# Altium PCB EMDO601_Patch.PcbDoc (part 2 of 3)
Units mm, origin at the board's own origin, x right, y up, seen from the top; angles counter-clockwise.
Board outline 80 x 180 mm, 4 copper layers (Top Layer, Mid-Layer 1, Mid-Layer 2, Bottom Layer), stack 1.426 mm thick; 219 components, 105 nets, 717 pads, 2037 vias.
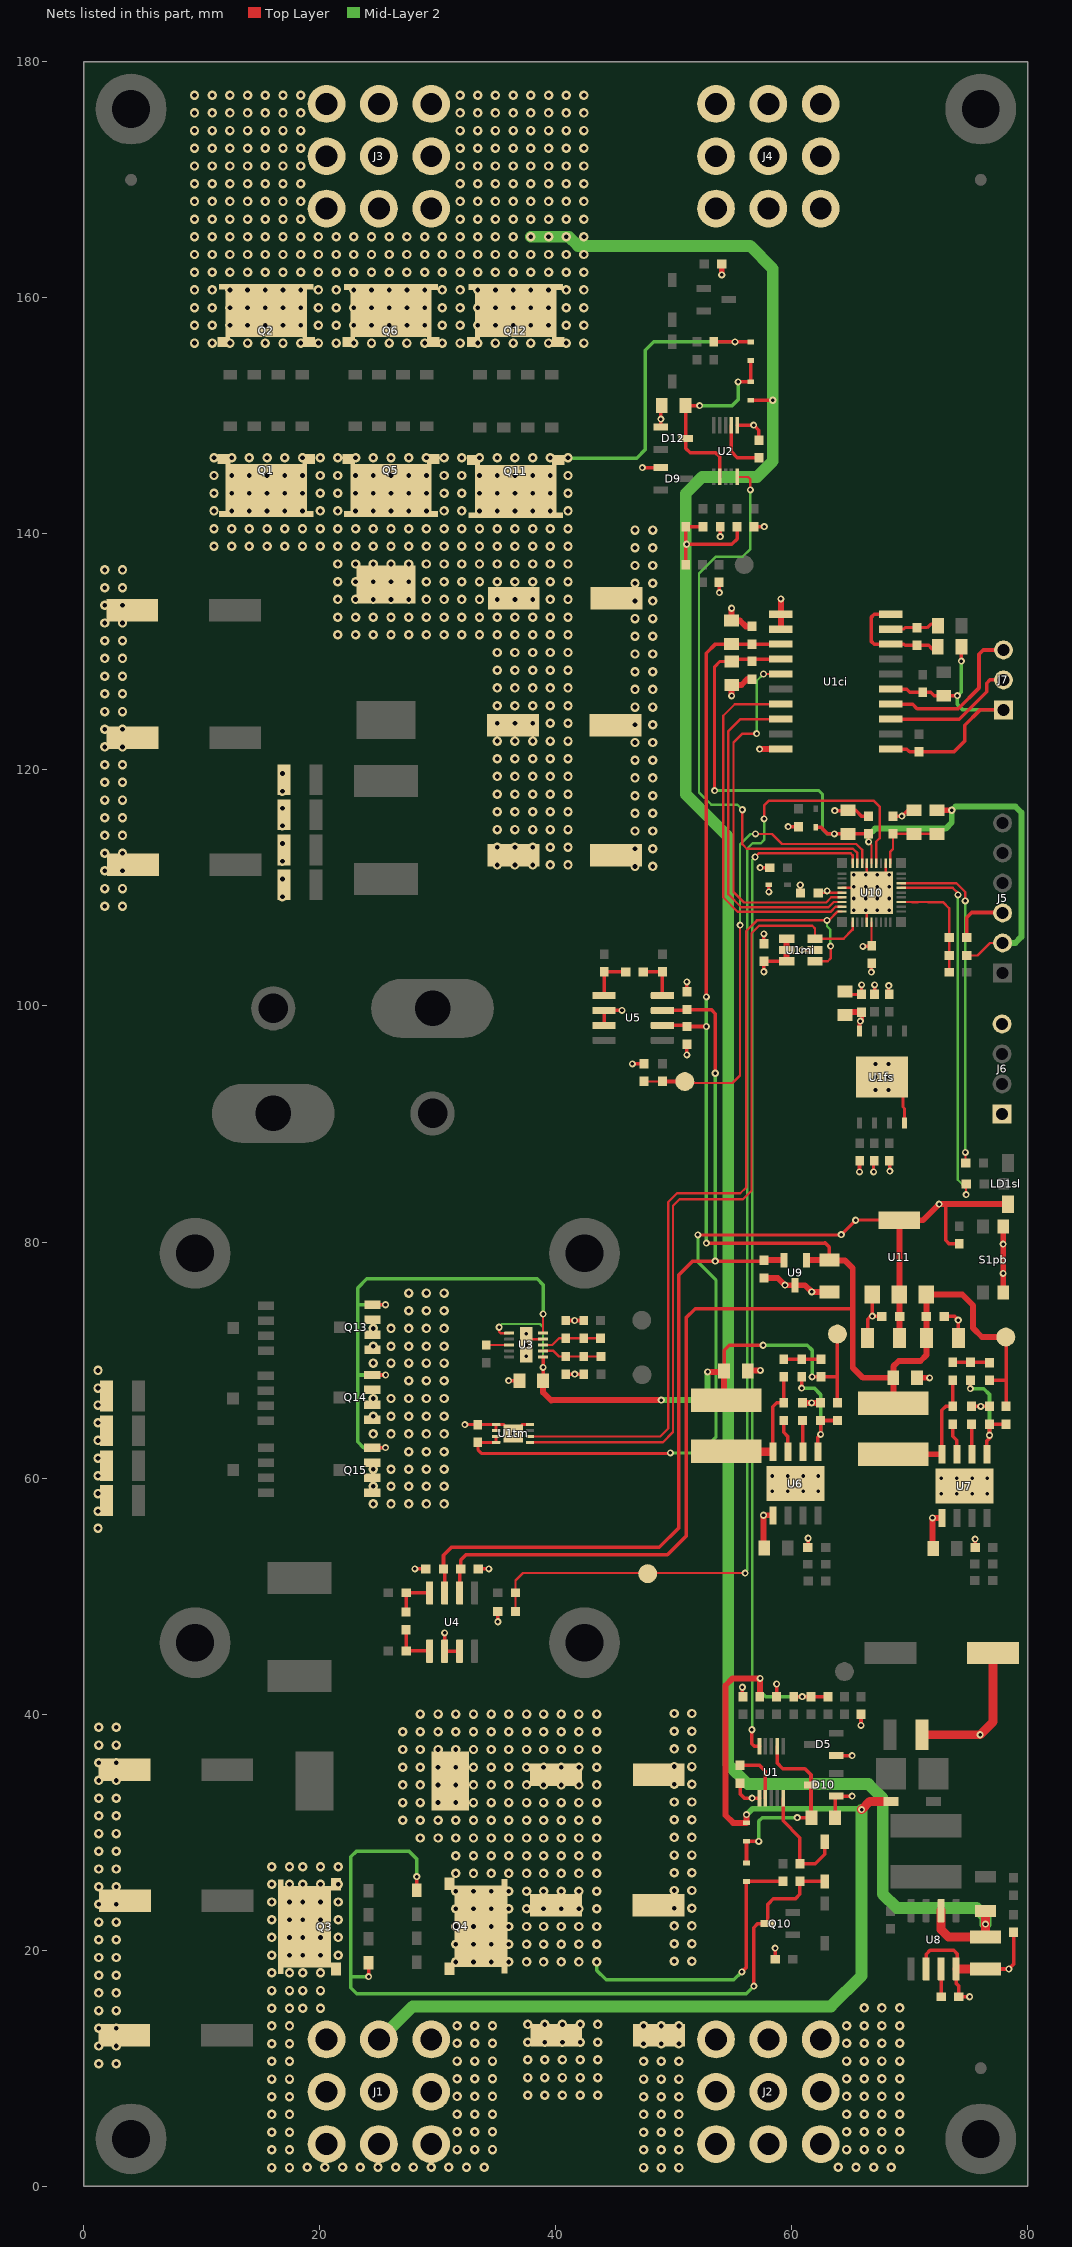
[diagram p4: the nets of this part, all layers, seen from the top]

## Part data (continued)
R49 R50: library part RES, "0.1W/ 1kohm±1%", Manufacturer=Yageo, Manufacturer Part Number=RC0603FR-071KL, Supplier Part Number=603-RC0603FR-071KL, Price=0.1, Supplier=mouser
R52: library part RES, "0.1W/ 100 ohm±1%", Manufacturer=Yageo, Manufacturer Part Number=RC0603FR-07100RL, Supplier Part Number=603-RC0603FR-07100RL, Price=0.1, Supplier=mouser
S1pb: library part "SW Wurth", "Push button SMD 434 351 045 816 Wurth", Manufacturer=Wuerth, Supplier Part Number=710-434351045816, Manufacturer Part Number="434 351 045 816", Price=0.6, Supplier=Mouser
U1 U2: "Hot Swap Voltage Controllers Automotive 5.5-V to 65-V high side protection controller 10-VSSOP -40 to 125", Manufacturer="Texas Instruments", Supplier Part Number=926-LM5060Q1MMX/NOPB, Manufacturer Part Number=LM5060Q1MMX/NOPB, Price=2.8, Supplier=mouser
U1ci: "CAN Interface IC 3.0kV isoPower CAN-FD Transceiver", Manufacturer="Analog Devices", Supplier Part Number=584-ADM3057EBRWZ, Manufacturer Part Number=ADM3057EBRWZ, Price=13.6, Supplier=mouser
U1fs: "IC FLASH 512MBIT 133MHZ WDFN-8", Manufacturer="Micron Technology Inc", Supplier Part Number=340-283908-TRAY, Manufacturer Part Number=MT25QL512ABB1EW9-0SIT, Price=10.2, Supplier=Mouser
U1mi: "2K bits I2C™ Serial EEPROM with EUI-48™ Node Identity, 1.7 to 5.5 V, 400 kHz, -40 to 85 degC, 6-pin SOT-23 (OT6), Tape and Reel", Manufacturer=Microchip, Supplier Part Number=579-24AA025E48T-I/OT, ComponentLink1Description="Manufacturer URL", ComponentLink1URL=http://www.microchip.com, ComponentLink2Description=Datasheet, ComponentLink2URL=http://ww1.microchip.com/downloads/en/DeviceDoc/22124D.pdf, ComponentLink3Description="Package Specification", ComponentLink3URL=http://www.microchip.com/stellent/groups/techpub_sg/documents/packagingspec/en012702.pdf, ComponentLink4Description="Product URL", ComponentLink4URL=http://www.microchip.com/24AA025E48, Manufacturer Part Number=24AA025E48T-I/OT, Price=0.4, Supplier=Mouser
U1tm: "IC TEMP SENSOR DGTL I2C 8DFN MCP9808T-E/MC Microchip", Manufacturer="Microchip Technology", Supplier Part Number=579-MCP9808T-E/MC, ComponentLink1Description=http://www.microchip.com/mymicrochip/filehandler.aspx?ddocname=en556196, ComponentLink1URL=http://www.microchip.com/mymicrochip/filehandler.aspx?ddocname=en556196, Manufacturer Part Number=MCP9808T-E/MC, Price=1.5, Supplier=Mouser
U3: "Gate Drivers 2.6-A, 110-V half bridge gate driver with enable and interlock 10-VSON -40 to 125", Manufacturer="Texas Instruments", Supplier Part Number=595-LM5108DRCT, Manufacturer Part Number=LM5108DRCT, Price=1.37, Supplier=mouser
U4 U5: "Current Sense Amplifiers AEC-Q100, -4 to 80V, bi-directional, ultra-precise current sense amplifier w/ enhanced pwm rejection 8-SOIC -40 to 125", Manufacturer="Texas Instruments", Supplier Part Number=595-INA240A2QDRQ1, Manufacturer Part Number=INA240A2QDRQ1, Price=3.76, Supplier=mouser
U6 U7: "7.5-100V Wide Vin, 300mA Constant On-Time Synchronous Buck Regulator 8-SO PowerPAD -40 to 125", Manufacturer="Texas Instruments", Package="HSOIC-8 Texas Instruments", Arrow_Asia-Purchase-URL=https://snapeda.com/shop?store=Arrow+Asia&id=436975, Availability=Good, Manufacturer Part Number=LM5018MR/NOPB, Mouser-Purchase-URL=https://snapeda.com/shop?store=Mouser&id=436975, Price=4, SnapEDA_Link=https://www.snapeda.com/parts/LM5018MR/NOPB/Texas%20Instruments/view-part/436975/?ref=snap, Supplier=Mouser, Supplier Part Number=LM5018MR/NOPB, Texas_Instruments-Purchase-URL=https://snapeda.com/shop?store=Texas+Instruments&id=436975
U8: "Switching Voltage Regulators 1.5-A Peak Boost/ Buck/Inverting", Manufacturer="Texas Instruments", Supplier Part Number=595-MC33063AQDRQ1, Manufacturer Part Number=MC33063AQDRQ1, Price=1.6, Supplier=mouser
U9: "3.3-V, 20-ppm/C max, 100-A, 3-pin SOT-23 series voltage reference 3-SOT-23 -40 to 125", Manufacturer="Texas Instruments", Package="SOT-23-3 Texas Instruments", Supplier Part Number=595-REF3133AIDBZTG4, Availability="In Stock", Check_prices=https://www.snapeda.com/parts/REF3133AIDBZTG4/Texas+Instruments/view-part/?ref=eda, Manufacturer Part Number=REF3133AIDBZTG4, Price=2.8, Supplier=Mouser
U10: "Digital Signal Processors & Controllers - DSP, DSC 16 Bit DSC, 256KB Flash, 24KB RAM, 100MHz, 28Pin, 3 OpAmp, 3 Comp, PTG, CAN-FD", Alternative Part Number=dsPIC33CK128MP203-I/M5, Manufacturer="Microchip Technology", Supplier Part Number=579-PIC33CK256MP503E, Manufacturer Part Number=dsPIC33CK256MP503-E/M5, Price=4, Supplier=Mouser
U11: "LDO Voltage Regulators 3.3V 1.0A Automotive", Manufacturer=onsemi, Supplier Part Number=863-NCV1117ST33T3G, Manufacturer Part Number=NCV1117ST33T3G, Price=0.7, Supplier=Mouser

## Free pads (board coordinates)
  round 6 hole 3.2: 0(4,4) 0(4,176) 0(76,4) 0(76,176)

## Via types
v1: diameter 0.8, hole 0.4, Top Layer to Bottom Layer, tented both sides, 1858 vias
v2: diameter 0.6, hole 0.3, Top Layer to Bottom Layer, tented both sides, 179 vias

## Nets (pads, with @x,y where several pads share a name; then routed paths per layer and width w, separated by ;. In a path a pad name is that pad's centre, name@x,y a point inside that pad or via, vN(x,y) a via of type N, cw(c..) or ccw(c..) an arc to the next point about the centre after c; other vN are vias at no path point)
3V3: C1fs.2 C1mi.2 C1tm.2 C2fs.2 C4ci.2 C5ci.2 C56.2 C58.2 C59.2 C61.2 C64.2 C65.2 D15.C D16.C FB1.2 J5.2 J6.1 LD1sl.1 R1fs.2 R1pb.2 R2fs.2 R3fs.2 R51.1 U1ci.4 U1fs.8 U1mi.4 U1mi.5 U1mi.6 U1tm.7 U1tm.8 U10.14 U10.23 U10.32 U11.2 U11.4 | length 168.5
  Top Layer w0.2: C58.2@62.225,109.578 62.8,109.578 v2(62.975,109.753) 62.975,109.653 63.02,109.608 U10.23@64.243,109.608 ; v2(66.493,113.908) 66.493,113.862 66.743,113.612 U10.14@66.743,112.108 ; C59.2@66.743,105.103 U10.32@66.743,107.108 ; R51.1@74.818,104.283 75.733,104.283 76.79,105.34 J5.2@77.85,105.34
  Top Layer w0.254: U1tm.7@34.936,63.525 U1tm.8@34.936,63.025 C1tm.2@33.381,63.025 33.381,62.4 33.681,62.1 49.675,62.1 v2(49.7,62.125) ; v2(52.025,80.6) 64.15,80.6 v2(64.175,80.625) v2(65.397,81.847) U11.4@69.103,81.847 ; v2(53.45,118.25) 53.45,128.75 53.9,129.2 C4ci.2@54.894,129.2
  Top Layer w0.3: C4ci.2@55.018,129.385 U1ci.4@59.063,129.385 ; v2(57.625,102.903) C1mi.2@57.625,103.778 57.64,103.792 U1mi.6@59.55,103.792 ; v2(58.05,109.663) D15.C@58.05,110.262 ; D16.C@62.025,115.14 62.46,115.14 63.017,114.583 v2(63.593,114.583) C61.2@64.743,114.583 C56.2@66.493,114.583 ; v2(65.725,85.938) 65.725,86.758 65.8,86.833 R1fs.2@65.75,86.883 ; U1fs.8@65.725,97.883 65.725,98.608 65.95,98.833 65.95,99.432 C2fs.2@65.9,99.482 ; v2(66.018,105.053) 66.693,105.053 C59.2@66.743,105.103 ; v2(66.493,113.908) C56.2@66.493,114.582 ; R3fs.2@67,101.008 v2(67,101.783) ; R2fs.2@68.25,86.883 68.175,86.808 68.3,86.683 v2(68.3,86.013) ; 72.987,83.212 73.025,83.25 73.025,83.212 73.025,80.15 73.338,79.837 R1pb.2@74.175,79.837
  Top Layer w0.5: U1mi.6@59.55,103.792 U1mi.5@59.55,104.742 U1mi.4@59.55,105.692 ; C1fs.2@64.5,99.483 C2fs.2@65.9,99.482 ; C65.2@69.117,71.872 69.103,71.886 U11.2@69.103,75.547 U11.4@69.103,81.847 71.097,81.847 v2(72.462,83.212) 72.987,83.212 73.025,83.212 78.275,83.212 LD1sl.1@78.3,83.187 ; FB1.2@72.293,116.583 v2(73.543,116.583)
  Mid-Layer 2 w0.254: v2(49.7,62.125) 52.225,62.125 53.55,63.45 53.55,76.8 52.025,78.325 v2(52.025,80.6) ; v2(53.45,118.25) 62.275,118.25 62.6,117.925 62.6,114.925 62.942,114.583 v2(63.593,114.583)
  Mid-Layer 2 w0.5: v2(66.493,113.908) 66.493,114.468 67.05,115.025 73.025,115.025 73.543,115.543 v2(73.543,116.583) 73.86,116.9 78.929,116.9 79.44,116.389 79.44,105.855 78.925,105.34 J5.2@77.85,105.34
  other v2: 65.8,98.713
3V3_REF: C35.2 C36.2 C54.2 U4.7 U5.7 U9.2 | length 80.4
  Top Layer w0.3: C36.2@30.475,52.3 30.475,53.45 31.15,54.125 48.75,54.125 50.425,55.8 50.425,77.23 51.57,78.375 v2(53.5,78.375) C54.2@57.635,78.375 ; U4.7@30.565,50.27 C36.2@30.565,52.21 ; U5.7@49.02,99.62 C35.2@50.995,99.62 ; C35.2@51.1,99.7 53.15,99.7 53.5,99.35 v2(53.5,94.3) ; C54.2@57.575,78.4 C54.2@57.625,78.45 C54.2@57.635,78.46
  Top Layer w0.5: C54.2@57.635,78.46 U9.2@59.325,78.46
  Mid-Layer 2 w0.3: v2(53.5,78.375) v2(53.5,94.3)
3V3A: C55.2 C60.2 FB1.1 U10.10 | length 6.3
  Top Layer w0.2: U10.10@68.343,112.108 68.343,113.09 68.568,113.315 C55.2@68.568,114.583 C60.2@70.343,114.583 FB1.1@72.293,114.583
12V_EN: U2.5 U10.17 | length 49
  Top Layer w0.2: U2.5@55.375,144.825 56.275,144.825 56.475,144.625 v2(56.475,143.725) ; v2(55.8,116.625) 55.8,113.7 56.172,113.328 65.175,113.328 65.543,112.96 U10.17@65.543,112.108
  Mid-Layer 2 w0.2: v2(55.8,116.625) 55.375,117.05 53.175,117.05 52.125,118.1 52.125,136.644 53.556,138.075 55.825,138.075 56.475,138.725 v2(56.475,143.725)
48V_EN: U1.5 U10.18 | length 85.1
  Top Layer w0.2: v2(56.875,112.625) 57.178,112.928 64.975,112.928 65.143,112.76 U10.18@65.143,112.108
  Top Layer w0.3: v2(56.6,38.675) 56.6,37.5 56.825,37.275 U1.5@57.25,37.275
  Mid-Layer 2 w0.2: v2(56.6,38.675) 56.625,38.675 56.625,112.375 v2(56.875,112.625)
+5V: +5V.1 C2ci.2 C3ci.2 C29.2 C30.2 C48.1 C49.2 C53.2 C66.2 C67.2 L6.2 R47.2 U1ci.3 U4.6 U5.6 U9.1 U11.3 | length 171.8
  Top Layer w0.3: U4.6@31.835,50.27 C29.2@31.835,52.21 ; C29.2@31.925,52.3 31.925,53.05 32.375,53.5 49.45,53.5 51.025,55.075 51.025,73.575 51.8,74.35 65.15,74.35 ; U5.6@49.02,98.35 C30.2@51.01,98.35 ; C30.2@51.1,98.26 v2(52.75,98.26) ; v2(52.75,79.9) 62.75,79.9 62.8,79.95 63.175,79.575 C53.2@63.175,78.475 ; v2@52.8,100.825 52.725,100.9 52.725,129.875 53.518,130.668 C2ci.2@54.887,130.668 ; C2ci.2@54.987,130.655 U1ci.3@59.063,130.655 ; C48.1@76.725,68.275 78.125,68.275 ; R47.2@78.14,66.075 +5V.1@78.14,71.81
  Top Layer w0.5: U9.1@61.225,78.46 C53.2@63.16,78.46 ; C53.2@63.16,78.45 64.475,78.45 65.15,77.775 65.15,74.35 65.15,69.35 66.005,68.495 C49.2@68.59,68.495 ; L6.2@68.59,66.329 C49.2@68.59,68.495 ; +5V.1@78.125,71.95 76.1,71.95 75.35,72.7 75.35,74.625 74.428,75.547 U11.3@71.389,75.547 71.392,75.544 C66.2@71.392,71.872 71.392,70.417 70.9,69.925 69.05,69.925 68.59,69.465 C49.2@68.59,68.495
  Mid-Layer 2 w0.3: v2(52.75,79.9) v2(52.75,98.26) v2(52.75,100.775)
+10V: +10V.1 C25.2 C46.1 C47.2 L5.2 R46.2 U3.1 U3.6 | length 51.6
  Top Layer w0.2: v2(35.191,72.775) 35.191,72.4 35.316,72.275 U3.1@36.04,72.275
  Top Layer w0.3: C25.2@38.91,68.25 v2(38.91,69.375) U3.6@38.91,70.275 ; C47.2@54.25,69.075 54.25,70.825 54.675,71.25 v2(57.55,71.25) ; v2(61.703,68.578) 62.447,68.578 C46.1@62.45,68.575 63.85,68.575 ; R46.2@63.85,66.375 63.85,68.575 ; +10V.1@63.85,72.2 63.85,68.575
  Top Layer w0.5: C25.2@38.91,68.25 38.91,67.265 39.6,66.575 39.625,66.6 v2(48.925,66.6) ; v2(52.85,69) 54.025,69 54.175,69.15 C47.2@54.25,69.075 L5.2@54.25,66.534
  Mid-Layer 2 w0.2: v2(35.191,72.775) 35.191,72.8 35.441,73.05 38.641,73.05 38.91,72.781 v2(38.91,69.375)
  Mid-Layer 2 w0.3: v2(57.55,71.25) 61.3,71.25 61.703,70.847 v2(61.703,68.578)
  Mid-Layer 2 w0.5: v2(48.925,66.6) 52.054,66.6 52.85,67.396 v2(52.85,69)
+12V: C43.2 D7.A J3.1 Q2.D Q6.D Q12.D R8.2 R9.2 R10.2 R24.1 R39.1 U8.6 | length 208.2
  Top Layer w0.3: R24.1@51.006,137.4 51.006,140.619 R8.2@51,140.625 R10.2@52.475,140.625 ; v2(51.075,139.125) 54.9,139.125 55.35,139.575 R9.2@55.35,140.625 ; D7.A@56.5,151.315 58.365,151.315 v2(58.375,151.325)
  Top Layer w0.75: U8.6@72.635,23.345 72.635,21.74 73.275,21.1 C43.2@76.4,21.1 v2(76.4,22.197) R39.1@76.4,23.295
  Mid-Layer 2 w0.3: v1@39.575,163.575 v1@39.65,163.65
  Mid-Layer 2 w1: v1(37.875,165.175) v1(39.375,165.175) v1(40.875,165.175) 41.1,165.175 41.875,164.4 56.45,164.4 58.375,162.475 v2(58.375,151.325) 58.375,146.15 57.05,144.825 52.4,144.825 51,143.425 51,117.925 54.602,114.323 54.602,35.723 56.25,34.075 66.475,34.075 67.7,32.85 67.7,24.75 68.875,23.575 75.625,23.575 76.4,22.8 v2(76.4,22.197)
  other v1: 9.375,156.175 10.875,156.175 12.375,156.175 13.875,156.175 15.375,156.175 16.875,156.175 18.375,156.175 19.875,156.175 21.375,156.175 22.875,156.175 24.375,156.175 25.875,156.175 27.375,156.175 28.875,156.175 30.375,156.175 31.875,156.175 33.375,156.175 34.875,156.175 36.375,156.175 37.875,156.175 39.375,156.175 40.875,156.175 42.375,156.175 9.375,157.675 10.875,157.675 12.375,157.675 13.875,157.675 15.375,157.675 16.875,157.675 18.375,157.675 19.875,157.675 21.375,157.675 22.875,157.675 24.375,157.675 25.875,157.675 27.375,157.675 28.875,157.675 30.375,157.675 31.875,157.675 33.375,157.675 34.875,157.675 36.375,157.675 37.875,157.675 39.375,157.675 40.875,157.675 42.375,157.675 9.375,159.175 10.875,159.175 12.375,159.175 13.875,159.175 15.375,159.175 16.875,159.175 18.375,159.175 19.875,159.175 21.375,159.175 22.875,159.175 24.375,159.175 25.875,159.175 27.375,159.175 28.875,159.175 30.375,159.175 31.875,159.175 33.375,159.175 34.875,159.175 36.375,159.175 37.875,159.175 39.375,159.175 40.875,159.175 42.375,159.175 9.375,160.675 10.875,160.675 12.375,160.675 13.875,160.675 15.375,160.675 16.875,160.675 18.375,160.675 19.875,160.675 21.375,160.675 22.875,160.675 24.375,160.675 25.875,160.675 27.375,160.675 28.875,160.675 30.375,160.675 31.875,160.675 33.375,160.675 34.875,160.675 36.375,160.675 37.875,160.675 39.375,160.675 40.875,160.675 42.375,160.675 9.375,162.175 10.875,162.175 12.375,162.175 13.875,162.175 15.375,162.175 16.875,162.175 18.375,162.175 19.875,162.175 21.375,162.175 22.875,162.175 24.375,162.175 25.875,162.175 27.375,162.175 28.875,162.175 30.375,162.175 31.875,162.175 33.375,162.175 34.875,162.175 36.375,162.175 37.875,162.175 39.375,162.175 40.875,162.175 42.375,162.175 9.375,163.675 10.875,163.675 12.375,163.675 13.875,163.675 15.375,163.675 16.875,163.675 18.375,163.675 19.875,163.675 21.375,163.675 22.875,163.675 24.375,163.675 25.875,163.675 27.375,163.675 28.875,163.675 30.375,163.675 31.875,163.675 33.375,163.675 34.875,163.675 36.375,163.675 37.875,163.675 39.375,163.675 40.875,163.675 42.375,163.675 9.375,165.175 10.875,165.175 12.375,165.175 13.875,165.175 15.375,165.175 16.875,165.175 18.375,165.175 19.875,165.175 21.375,165.175 22.875,165.175 24.375,165.175 25.875,165.175 27.375,165.175 28.875,165.175 30.375,165.175 31.875,165.175 33.375,165.175 34.875,165.175 36.375,165.175 42.375,165.175 9.375,166.675 10.875,166.675 12.375,166.675 13.875,166.675 15.375,166.675 16.875,166.675 18.375,166.675 31.875,166.675 33.375,166.675 34.875,166.675 36.375,166.675 37.875,166.675 39.375,166.675 40.875,166.675 42.375,166.675 9.375,168.175 10.875,168.175 12.375,168.175 13.875,168.175 15.375,168.175 16.875,168.175 18.375,168.175 31.875,168.175 33.375,168.175 34.875,168.175 36.375,168.175 37.875,168.175 39.375,168.175 40.875,168.175 42.375,168.175 9.375,169.675 10.875,169.675 12.375,169.675 13.875,169.675 15.375,169.675 16.875,169.675 18.375,169.675 31.875,169.675 33.375,169.675 34.875,169.675 36.375,169.675 37.875,169.675 39.375,169.675 40.875,169.675 42.375,169.675 9.375,171.175 10.875,171.175 12.375,171.175 13.875,171.175 15.375,171.175 16.875,171.175 18.375,171.175 31.875,171.175 33.375,171.175 34.875,171.175 36.375,171.175 37.875,171.175 39.375,171.175 40.875,171.175 42.375,171.175 9.375,172.675 10.875,172.675 12.375,172.675 13.875,172.675 15.375,172.675 16.875,172.675 18.375,172.675 31.875,172.675 33.375,172.675 34.875,172.675 36.375,172.675 37.875,172.675 39.375,172.675 40.875,172.675 42.375,172.675 9.375,174.175 10.875,174.175 12.375,174.175 13.875,174.175 15.375,174.175 16.875,174.175 18.375,174.175 31.875,174.175 33.375,174.175 34.875,174.175 36.375,174.175 37.875,174.175 39.375,174.175 40.875,174.175 42.375,174.175 9.375,175.675 10.875,175.675 12.375,175.675 13.875,175.675 15.375,175.675 16.875,175.675 18.375,175.675 31.875,175.675 33.375,175.675 34.875,175.675 36.375,175.675 37.875,175.675 39.375,175.675 40.875,175.675 42.375,175.675 9.375,177.175 10.875,177.175 12.375,177.175 13.875,177.175 15.375,177.175 16.875,177.175 18.375,177.175 31.875,177.175 33.375,177.175 34.875,177.175 36.375,177.175 37.875,177.175 39.375,177.175 40.875,177.175 42.375,177.175
+48V: D1.A D13.A J1.1 Q3.D R2.2 R3.2 R4.2 R23.1 | length 96.5
  Top Layer w0.3: R3.2@60.15,41.475 v2(60.875,41.475) R2.2@61.625,41.475 R23.1@63.05,41.475
  Top Layer w0.5: v2(56.15,31.475) D1.A@56.15,30.785 55.015,30.785 54.375,31.425 54.375,42.425 54.975,43.025 v2(57.3,43.025) 57.3,41.5 R4.2@57.275,41.475
  Top Layer w0.75: v2(65.9,31.9) 66.6,32.6 D13.A@67.75,32.6
  Mid-Layer 2 w0.3: v2(57.3,43.025) 57.3,42 57.275,41.975 57.775,41.475 v2(60.875,41.475)
  Mid-Layer 2 w0.5: v2(56.15,31.475) 56.65,31.975 65.825,31.975 v2(65.9,31.9)
  Mid-Layer 2 w1: J1.1@24.35,11.7 27.875,15.225 63.3,15.225 65.9,17.825 v2(65.9,31.9)
  other v1: 15.925,1.575 17.425,1.575 18.925,1.6 20.425,1.6 21.925,1.6 23.425,1.6 24.925,1.6 26.425,1.6 27.925,1.6 29.425,1.6 30.925,1.6 32.425,1.6 33.925,1.6 15.925,3.075 17.425,3.075 31.625,3.1 33.125,3.1 34.625,3.1 15.925,4.575 17.425,4.575 31.625,4.6 33.125,4.6 34.625,4.6 15.925,6.075 17.425,6.075 31.625,6.1 33.125,6.1 34.625,6.1 15.925,7.575 17.425,7.575 31.625,7.6 33.125,7.6 34.625,7.6 15.925,9.075 17.425,9.075 31.625,9.1 33.125,9.1 34.625,9.1 15.925,10.575 17.425,10.575 31.625,10.6 33.125,10.6 34.625,10.6 15.925,12.075 17.425,12.075 31.625,12.1 33.125,12.1 34.625,12.1 15.925,13.575 17.425,13.575 31.625,13.6 33.125,13.6 34.625,13.6 15.925,15.075 17.425,15.075 18.55,15.075 20.05,15.075 15.925,16.575 17.425,16.575 18.55,16.575 20.05,16.575 15.925,18.075 17.425,18.075 18.55,18.075 20.05,18.075 15.925,19.575 17.425,19.575 18.55,19.575 20.05,19.575 21.55,19.575 15.925,21.075 17.425,21.075 18.55,21.075 20.05,21.075 21.55,21.075 15.925,22.575 17.425,22.575 18.55,22.575 20.05,22.575 21.55,22.575 15.925,24.075 17.425,24.075 18.55,24.075 20.05,24.075 21.55,24.075 15.925,25.575 17.425,25.575 18.55,25.575 20.05,25.575 21.55,25.575 15.925,27.075 17.425,27.075 18.55,27.075 20.05,27.075 21.55,27.075
BG: Q13.G Q14.G Q15.G U3.10 | length 44
  Top Layer w0.2: U3.10@38.91,72.275 v2(38.91,73.9)
  Top Layer w0.3: Q15.G@24.44,62.575 v2(25.558,62.575) ; Q14.G@24.443,68.731 v2(25.561,68.731) ; Q13.G@24.451,74.683 v2(25.558,74.683)
  Top Layer w0.5: Q14.G@24.438,68.736 Q14.G@24.443,68.731
  Mid-Layer 2 w0.3: v2(25.558,62.575) 23.7,62.575 23.2,63.075 23.2,68.75 ; v2(25.558,74.683) 23.217,74.683 23.2,74.7 ; v2(25.561,68.731) 23.219,68.731 23.2,68.75 ; v2(38.91,73.9) 38.91,76.39 38.425,76.875 23.975,76.875 23.2,76.1 23.2,74.7 ; 23.2,68.75 23.2,74.7
CAN_RX: U1ci.5 U10.24 | length 31.5
  Top Layer w0.2: v2(57.012,123.08) 55.805,123.08 55.052,122.327 55.052,118.272 55.052,109.648 55.929,108.771 62.9,108.771 63.337,109.208 U10.24@64.243,109.208 ; v2(57.587,128.13) 59.048,128.13 U1ci.5@59.063,128.115
  Mid-Layer 2 w0.2: v2(57.012,123.08) 57.012,127.555 v2(57.587,128.13)
CAN_STBY: U1ci.8 U10.25 | length 29
  Top Layer w0.2: U1ci.8@59.063,124.305 55.63,124.305 54.612,123.287 54.612,118.272 54.612,109.465 55.707,108.371 63.1,108.371 63.537,108.808 U10.25@64.243,108.808
CAN_TX: U1ci.7 U10.26 | length 31.5
  Top Layer w0.2: U1ci.7@59.063,125.575 55.15,125.575 54.171,124.596 54.171,109.207 55.407,107.971 63.266,107.971 63.703,108.408 U10.26@64.243,108.408
CANH: J7.3 U1ci.14 | length 13.4
  Top Layer w0.3: U1ci.14@68.363,125.575 70.225,125.575 70.6,125.2 74.1,125.2 75.85,126.95 75.85,129.8 76.215,130.165 J7.3@77.925,130.165
CANL: J7.2 U1ci.13 | length 11.4
  Top Layer w0.3: U1ci.13@68.363,124.305 74.18,124.305 76.5,126.625 76.5,127.35 76.775,127.625 J7.2@77.925,127.625
GND: C1.2 C1fs.1 C1mi.1 C1tm.1 C2.2 C2ci.1 C2fs.1 C3.2 C3ci.1 C4.2 C4ci.1 C5.2 C5ci.1 C6.2 C7.2 C8.2 C9.2 C10.2 C11.2 C12.2 C13.2 C14.2 C15.2 C16.2 C17.2 C18.2 C19.2 C20.2 C21.1 C22.1 C23.1 C24.1 C25.1 C26.2 C28.2 C29.1 C30.1 C33.1 C34.1 C35.1 C36.1 C37.1 C38.1 C39.1 C40.1 C43.1 C44.1 C45.2 C47.1 C49.1 C52.1 C53.1 C54.1 C55.1 C56.1 C57.2 C58.1 C59.1 C60.1 C61.1 C62.1 C63.1 C64.1 C65.1 C66.1 C67.1 D5.1 D9.1 D10.1 D12.1 J2.1 J4.1 J5.3 J6.4 Q13.S Q14.S Q15.S R4fs.1 R5fs.1 R13.1 R14.1 R15.1 R16.1 R17.1 R18.1 R20.1 R22.1 R33.2 R34.2 R41.2 R42.2 R48.1 R49.2 R50.2 S1pb.2 S1pb.4 U1.6 U1ci.1 U1ci.2 U1ci.10 U1fs.0 U1fs.4 U1mi.2 U1tm.0 U1tm.4 U1tm.5 U1tm.6 U2.6 U3.9 U3.11 U4.2 U4.3 U5.2 U5.3 U6.1 U6.9 U7.1 U7.9 U8.2 U8.4 U9.3 U10.11 U10.15 U10.22 U10.31 U10.37 U11.1 | length 145.8
  Top Layer w0.2: v2(37.475,71.275) 37.975,71.775 U3.9@38.91,71.775 ; U10.22@64.243,110.008 U10.37@66.343,110.008 ; U10.31@66.343,107.108 66.343,109.208 U10.37@66.743,109.608 ; U10.15@66.343,112.108 U10.37@66.343,110.008 ; U10.11@67.943,112.108 67.943,110.808 U10.37@67.243,110.108 U10.37@66.743,109.608 ; U10.37@66.343,110.008 U10.37@66.743,109.608
  Top Layer w0.254: v2(32.281,64.525) C1tm.1@33.381,64.525 U1tm.5@34.936,64.525 ; U1tm.6@34.936,64.025 U1tm.5@34.936,64.525 ; 35.621,64.525 U1tm.5@34.936,64.525 ; 37.121,64.525 U1tm.4@37.806,64.525 ; v2(60.7,110.25) 60.7,109.647 60.678,109.625 C58.1@60.725,109.578 ; C58.1@60.75,109.553 C58.1@60.775,109.528 ; C1fs.1@64.5,100.983 C2fs.1@65.9,100.983 v2(65.9,101.783) ; v2(66.925,85.938) 66.925,86.833 R5fs.1@66.975,86.883 ; v2(68.2,101.725) 68.2,101.057 R4fs.1@68.25,101.008 ; U1fs.0@69.4,92.433 69.4,91.458 69.535,91.323 U1fs.4@69.535,90.083
  Top Layer w0.3: v2(28.05,52.3) C36.1@28.975,52.3 ; v2(30.565,46.875) U4.2@30.565,45.33 U4.3@31.835,45.33 ; C29.1@33.425,52.3 v2(34.325,52.3) ; v2(35.075,47.825) C33.1@35.075,48.7 ; v2(35.991,68.25) C25.1@36.91,68.25 ; C26.2@40.835,68.8 v2(41.598,68.8) R20.1@42.36,68.8 ; C28.2@40.835,73.35 R22.1@42.36,73.35 ; U5.3@44.08,98.35 U5.2@44.08,99.62 v2(45.6,99.62) ; v2(46.475,95.1) 47.44,95.1 C34.1@47.45,95.11 ; v2(47.325,145.625) D9.1@48.89,145.625 ; D12.1@48.89,149.05 v2(48.89,149.725) 48.89,150.79 C24.1@48.975,150.875 ; v2(51.1,95.85) 51.1,96.71 51.075,96.735 C30.1@51.1,96.76 ; C35.1@51.1,101.2 v2(51.1,102.05) ; R34.2@53.831,135.9 53.85,135.881 v2(53.85,135.025) ; v2@53.925,139.675 R17.1@53.925,140.625 ; U2.6@55.375,149.225 v2(56.75,149.225) 57.2,148.775 C23.1@57.2,147.95 ; C22.1@55.6,34.15 55.6,33.25 55.975,32.875 v2(56.625,32.875) U1.6@57.25,32.875 ; v2(55.8,42.275) 55.8,41.525 R15.1@55.85,41.475 ; R16.1@56.775,140.625 v2(57.65,140.625) ; v2(57.308,111.725) C62.1@57.785,111.725 ; C1mi.1@57.625,105.278 v2(57.625,106.103) ; C62.1@57.775,111.715 C62.1@57.785,111.725 ; C62.1@57.985,111.725 C62.1@57.785,111.725 ; R13.1@58.575,19.225 v2(58.575,20.175) ; R14.1@58.7,41.475 v2(58.7,42.55) ; v2(59.677,115.202) C63.1@60.552,115.202 ; v2(60.835,104.742) U1mi.2@61.95,104.742 ; R41.2@61.35,54.125 61.375,54.15 v2(61.375,54.9) ; v2(63.627,116.547) 64.707,116.547 C61.1@64.743,116.583 65.393,116.583 65.893,116.083 C56.1@66.493,116.083 ; C21.1@63.65,31.225 63.65,32.965 D10.1@63.735,33.05 v2(65.1,33.05) ; D5.1@63.735,36.475 v2(65.1,36.475) ; v2(65.85,39.05) R33.2@65.85,40 ; C65.1@66.417,71.872 66.417,73.467 66.647,73.697 C64.1@67.617,73.697 ; v2(66.738,102.873) 66.738,103.572 C59.1@66.768,103.603 ; v2(66.817,73.725) U11.1@66.817,75.547 ; C55.1@68.568,116.083 v2(69.318,116.083) 69.818,116.583 C60.1@70.343,116.583 ; U8.2@71.365,18.405 71.365,19.64 71.7,19.975 73.7,19.975 74,19.675 U8.4@74,18.4 ; C67.1@72.892,73.697 73.778,73.697 v2(74.092,73.383) C66.1@74.092,71.872 ; U8.4@73.905,18.305 73.905,17.195 74.15,16.95 C52.1@74.15,16.05 v2(75.05,16.05) ; C57.2@74.818,105.808 74.818,107.495 75.245,107.923 J5.3@77.66,107.923 ; C40.1@75.225,66.075 v2(76,66.075) R50.2@76.725,66.075 ; R42.2@75.515,54.189 75.525,54.199 v2(75.525,54.825) v2@75.525,54.875 ; C43.1@76.4,18.4 v2(78.375,18.4) 78.775,18.8 R48.1@78.775,21.5
  Top Layer w0.5: v2(54.05,161.95) R18.1@54.05,162.875 ; v2(54.887,133.7) C2ci.1@54.887,132.668 55.582,132.668 56.082,132.168 C3ci.1@56.612,132.168 ; v2(54.894,126.269) C4ci.1@54.894,127.2 55.725,127.2 56.225,127.7 C5ci.1@56.619,127.7 ; C47.1@56.595,69.125 v2(57.325,69.125) ; v2(57.265,121.765) U1ci.10@59.063,121.765 ; C54.1@57.625,76.95 58.8,76.95 v2(59.41,76.34) 61.11,76.34 v2(61.675,75.775) C53.1@63.175,75.775 ; C37.1@57.65,54.075 57.59,54.135 v2(57.59,56.85) 58.36,56.85 U6.1@58.385,56.825 ; U1ci.2@59.063,131.925 U1ci.1@59.063,133.195 v2(59.063,134.487) ; C39.1@60.9,66.375 v2(61.662,66.375) R49.2@62.425,66.375 ; C49.1@70.59,68.495 v2(71.67,68.495) ; C38.1@71.965,54.02 71.91,54.075 v2(71.91,56.625) 72.7,56.625 U7.1@72.705,56.62 ; S1pb.4@77.9,75.712 v2(77.9,77.341) v2(77.9,79.816) S1pb.2@77.9,81.312
  Top Layer w0.75: C44.1@71.025,39.05 C44.1@71.025,38.25 v2(75.95,38.25) 77.05,39.35 C45.2@77.05,45.125 ; U8.4@74,18.4 C43.1@76.4,18.4
  other v1: 47.425,1.575 48.925,1.575 50.425,1.575 63.925,1.6 65.425,1.6 66.925,1.6 68.425,1.6 47.425,3.075 48.925,3.075 50.425,3.075 64.625,3.1 66.125,3.1 67.625,3.1 69.125,3.1 47.425,4.575 48.925,4.575 50.425,4.575 64.625,4.6 66.125,4.6 67.625,4.6 69.125,4.6 47.425,6.075 48.925,6.075 50.425,6.075 64.625,6.1 66.125,6.1 67.625,6.1 69.125,6.1 47.425,7.575 48.925,7.575 50.425,7.575 64.625,7.6 66.125,7.6 67.625,7.6 69.125,7.6 47.425,9.075 48.925,9.075 50.425,9.075 64.625,9.1 66.125,9.1 67.625,9.1 69.125,9.1 1.25,10.375 2.75,10.375 47.425,10.575 48.925,10.575 50.425,10.575 64.625,10.6 66.125,10.6 67.625,10.6 69.125,10.6 1.25,11.875 2.75,11.875 47.425,12.075 48.925,12.075 50.425,12.075 64.625,12.1 66.125,12.1 67.625,12.1 69.125,12.1 1.25,13.375 2.75,13.375 47.425,13.575 48.925,13.575 50.425,13.575 64.625,13.6 66.125,13.6 67.625,13.6 69.125,13.6 1.25,14.875 2.75,14.875 66.125,15.1 67.625,15.1 69.125,15.1 1.25,16.375 2.75,16.375 1.25,17.875 2.75,17.875 50.025,19.05 51.525,19.05 1.25,19.375 2.75,19.375 50.025,20.55 51.525,20.55 1.25,20.875 2.75,20.875 50.025,22.05 51.525,22.05 1.25,22.375 2.75,22.375 50.025,23.55 51.525,23.55 1.25,23.875 2.75,23.875 50.025,25.05 51.525,25.05 1.25,25.375 2.75,25.375 50.025,26.55 51.525,26.55 1.25,26.875 2.75,26.875 50.025,28.05 51.525,28.05 1.25,28.375 2.75,28.375 50.025,29.55 51.525,29.55 1.25,29.875 2.75,29.875 50.025,31.05 51.525,31.05 1.25,31.375 2.75,31.375 50.025,32.55 51.525,32.55 1.25,32.875 2.75,32.875 50.025,34.05 51.525,34.05 1.25,34.375 2.75,34.375 50.025,35.55 51.525,35.55 1.25,35.875 2.75,35.875 50.025,37.05 51.525,37.05 1.25,37.375 2.75,37.375 50.025,38.55 51.525,38.55 1.25,38.875 2.75,38.875 50.025,40.05 51.525,40.05 1.2,55.75 1.2,57.185 24.525,57.804 26.025,57.804 27.525,57.804 29.025,57.804 30.525,57.804 1.2,58.685 24.525,59.304 26.025,59.304 27.525,59.304 29.025,59.304 30.525,59.304 1.2,60.185 24.525,60.74 26.025,60.74 27.525,60.74 29.025,60.74 30.525,60.74 1.2,61.685 27.525,62.24 29.025,62.24 30.525,62.24 1.2,63.185 24.525,63.74 26.025,63.74 27.525,63.74 29.025,63.74 30.525,63.74 1.2,64.685 24.525,65.24 26.025,65.24 27.525,65.24 29.025,65.24 30.525,65.24 1.2,66.185 24.525,66.74 26.025,66.74 27.525,66.74 29.025,66.74 30.525,66.74 1.2,67.621 27.525,68.24 29.025,68.24 30.525,68.24 1.2,69.121 24.525,69.74 26.025,69.74 27.525,69.74 29.025,69.74 30.525,69.74 24.525,71.175 26.025,71.175 27.525,71.175 29.025,71.175 30.525,71.175 24.525,72.675 26.025,72.675 27.525,72.675 29.025,72.675 30.525,72.675 27.525,74.175 29.025,74.175 30.525,74.175 27.525,75.675 29.025,75.675 30.525,75.675 1.775,108.45 3.275,108.45 16.825,109.26 1.775,109.95 3.275,109.95 16.825,110.76 1.775,111.45 3.275,111.45 46.7,111.825 48.2,111.825 16.825,112.26 1.775,112.95 3.275,112.95 46.7,113.325 48.2,113.325 16.825,113.76 1.775,114.45 3.275,114.45 46.7,114.825 48.2,114.825 16.825,115.26 1.775,115.95 3.275,115.95 46.7,116.325 48.2,116.325 16.825,116.76 1.775,117.45 3.275,117.45 46.7,117.825 48.2,117.825 16.825,118.196 1.775,118.95 3.275,118.95 46.7,119.325 48.2,119.325 16.825,119.696 1.775,120.45 3.275,120.45 46.7,120.825 48.2,120.825 1.775,121.95 3.275,121.95 46.7,122.325 48.2,122.325 1.775,123.45 3.275,123.45 46.7,123.825 48.2,123.825 1.775,124.95 3.275,124.95 46.7,125.325 48.2,125.325 1.775,126.45 3.275,126.45 46.7,126.825 48.2,126.825 1.775,127.95 3.275,127.95 46.7,128.325 48.2,128.325 1.775,129.45 3.275,129.45 46.7,129.825 48.2,129.825 1.775,130.95 3.275,130.95 46.7,131.325 48.2,131.325 1.775,132.45 3.275,132.45 46.7,132.825 48.2,132.825 1.775,133.95 3.275,133.95 46.7,134.325 48.2,134.325 1.775,135.45 3.275,135.45 46.7,135.825 48.2,135.825 1.775,136.95 3.275,136.95 46.7,137.325 48.2,137.325 46.7,138.825 48.2,138.825 46.7,140.325 48.2,140.325
  other v2: 36.371,63.775 37.475,70.325 37.475,72.225 41.591,73.35 67.08,92.883 68.18,92.883 67.08,93.983 68.18,93.983 67.08,95.083 68.18,95.083 53.925,139.775
GND_CAN: C6ci.1 C7ci.1 FB1ci.1 J7.1 R1ci.1 U1ci.11 U1ci.15 | length 26.9
  Top Layer w0.3: U1ci.11@68.363,121.765 69.728,121.765 69.963,121.53 R1ci.1@70.763,121.53 73.73,121.53 74.65,122.45 74.65,123.8 75.935,125.085 J7.1@77.925,125.085 ; U1ci.15@68.363,126.845 69.723,126.845 69.988,126.58 C7ci.1@71.088,126.58 71.763,126.58 72.063,126.28 72.688,126.28 C6ci.1@72.863,126.105 ; C6ci.1@72.863,126.28 72.883,126.3 v2(74.025,126.3) ; v2(74.363,129.23) FB1ci.1@74.363,130.33
  Mid-Layer 2 w0.3: v2(74.363,129.23) 74.363,126.637 v2(74.025,126.3) 74.025,125.55 74.49,125.085 J7.1@77.925,125.085
I2C_SCL: U1mi.1 U1tm.2 U10.27 | length 73.5
  Top Layer w0.2: U1tm.2@37.806,63.525 48.843,63.525 49.525,64.207 49.525,83.382 50.268,84.125 55.625,84.125 56.125,84.625 56.125,106.35 57.028,107.253 v2(62.971,107.253) 63.113,107.253 63.868,108.008 U10.27@64.243,108.008 ; U1mi.1@61.95,103.792 63.04,103.792 63.275,104.028 v2(63.275,105.078)
  Mid-Layer 2 w0.2: v2(62.971,107.253) 62.971,106.761 63.25,106.482 v2@63.25,105.178
I2C_SDA: U1mi.3 U1tm.1 U10.28 | length 71.4
  Top Layer w0.2: U1tm.1@37.806,63.025 49.05,63.025 49.925,63.9 49.925,83.075 50.475,83.625 55.85,83.625 56.575,84.35 56.575,106.164 57.214,106.803 61.725,106.803 61.95,106.578 U1mi.3@61.95,105.692 ; U1mi.3@61.96,105.703 64.375,105.703 65.143,106.47 U10.28@65.143,107.108
Isns_12V: C34.2 Isns_12V.1 R30.2 U10.16 | length 40.4
  Top Layer w0.2: C34.2@47.45,93.6 R30.2@49.135,93.6 ; Isns_12V.1@50.925,93.6 51.05,93.475 54.962,93.475 55.602,94.116 v2(55.602,106.853) ; v2(56.912,114.575) 58.3,114.575 59.147,113.728 65.45,113.728 65.943,113.235 U10.16@65.943,112.108
  Top Layer w0.3: R30.2@49.135,93.6 Isns_12V.1@50.925,93.6
  Mid-Layer 2 w0.2: v2(55.602,106.853) 55.602,113.677 56.5,114.575 v2(56.912,114.575)
Isns_48V: C33.2 Isns_48V.1 R29.2 U10.13 | length 104.2
  Top Layer w0.2: C33.2@36.575,48.7 R29.2@36.575,50.275 36.575,51.325 37.2,51.95 Isns_48V.1@47.825,51.95 ; v2(56.025,51.95) 48.025,51.95 Isns_48V.1@47.975,51.9 ; v2(57.642,115.86) 57.642,116.992 58.052,117.402 66.923,117.402 67.425,116.9 67.425,114.214 67.143,113.931 U10.13@67.143,112.108 ; Isns_48V.1@47.825,51.95 Isns_48V.1@47.775,51.9 Isns_48V.1@47.875,51.9 ; Isns_48V.1@47.825,51.95 Isns_48V.1@47.875,51.9 ; Isns_48V.1@47.875,51.9 47.925,51.85 Isns_48V.1@47.975,51.9 ; Isns_48V.1@47.875,51.9 Isns_48V.1@47.975,51.9
  Mid-Layer 2 w0.2: v2(56.025,51.95) v2@55.95,51.95 ; v2(57.642,115.86) 57.642,114.067 57.365,113.79 56.665,113.79 56.202,113.327 56.202,52.202 v2@55.95,51.95 ; v2@55.95,51.95 55.875,51.875 55.85,51.9 55.9,51.95 v2@55.95,51.95
LED_GREEN: R2sl.1 U10.7 | length 28.7
  Top Layer w0.2: U10.7@69.243,110.408 73.932,110.408 74.685,109.654 v2(74.685,108.903) ; v2(74.7,87.587) 74.7,86.762 74.75,86.712 R2sl.1@74.729,86.691
  Mid-Layer 2 w0.2: v2@74.685,87.587 v2(74.685,108.903)
LED_RED: R1sl.1 U10.6 | length 31.7
  Top Layer w0.2: U10.6@69.243,110.008 73.63,110.008 74.069,109.569 v2(74.069,109.422) ; v2(74.75,84.012) 74.75,84.887 R1sl.1@74.779,84.916
  Mid-Layer 2 w0.2: v2@74.047,109.324 74.047,85.27 74.75,84.567 v2(74.75,84.012)
MCLR: C57.1 R51.2 R52.2 U10.3 | length 9.7
  Top Layer w0.2: U10.3@69.243,108.808 70.171,108.808 70.176,108.803 70.674,108.803 70.678,108.807 71.546,108.807 71.551,108.803 72.798,108.803 73.318,108.283 C57.1@73.318,105.808 R51.2@73.318,104.283 R52.2@73.318,102.858
NetC1ci_1: C1ci.1 FB2ci.2 U1ci.19 | length 4.2
  Top Layer w0.254: U1ci.19@68.363,131.925 69.458,131.925 69.588,132.055 C1ci.1@70.588,132.055 71.463,132.055 71.763,132.355 72.288,132.355 FB2ci.2@72.363,132.28
NetC1ci_2: C1ci.2 FB1ci.2 U1ci.18 U1ci.20 | length 9.7
  Top Layer w0.3: U1ci.20@68.363,133.195 66.978,133.195 66.738,132.955 66.738,130.88 66.963,130.655 U1ci.18@68.363,130.655 69.487,130.655 69.588,130.555 C1ci.2@70.588,130.555 71.588,130.555 71.863,130.28 72.263,130.28 FB1ci.2@72.363,130.38
NetC7_1: C7.1 C8.1 C9.1 D2.A L1.1 Q4.D R5.2 | length 24.6
  Top Layer w0.3: v2@55.725,18.125 56.125,18.525 56.125,25.825 R5.2@59.25,25.825
  Mid-Layer 2 w0.3: v1(43.45,18.998) 43.45,18.275 44.25,17.475 55.075,17.475 v2(55.75,18.15)
  other v1: 37.615,7.7 39.05,7.7 40.55,7.7 42.05,7.7 43.55,7.7 37.615,9.2 39.05,9.2 40.55,9.2 42.05,9.2 43.55,9.2 37.615,10.7 39.05,10.7 40.55,10.7 42.05,10.7 43.55,10.7 37.615,12.2 39.05,12.2 40.55,12.2 42.05,12.2 43.55,12.2 37.615,13.7 39.05,13.7 40.55,13.7 42.05,13.7 43.55,13.7 31.515,18.998 33.015,18.998 34.515,18.998 36.015,18.998 37.515,18.998 38.95,18.998 40.45,18.998 41.95,18.998 31.515,20.498 33.015,20.498 34.515,20.498 36.015,20.498 37.515,20.498 38.95,20.498 40.45,20.498 41.95,20.498 43.45,20.498 31.515,21.998 33.015,21.998 34.515,21.998 36.015,21.998 37.515,21.998 38.95,21.998 40.45,21.998 41.95,21.998 43.45,21.998 31.515,23.498 33.015,23.498 34.515,23.498 36.015,23.498 37.515,23.498 38.95,23.498 40.45,23.498 41.95,23.498 43.45,23.498 31.515,24.998 33.015,24.998 34.515,24.998 36.015,24.998 37.515,24.998 38.95,24.998 40.45,24.998 41.95,24.998 43.45,24.998 31.515,26.498 33.015,26.498 34.515,26.498 36.015,26.498 37.515,26.498 38.95,26.498 40.45,26.498 41.95,26.498 43.45,26.498 31.515,27.998 33.015,27.998 34.515,27.998 36.015,27.998 37.515,27.998 38.95,27.998 40.45,27.998 41.95,27.998 43.45,27.998 28.515,29.498 30.015,29.498 31.515,29.498 33.015,29.498 34.515,29.498 36.015,29.498 37.515,29.498 38.95,29.498 40.45,29.498 41.95,29.498 43.45,29.498 27.015,30.998 28.515,30.998 30.015,30.998 31.515,30.998 33.015,30.998 34.515,30.998 36.015,30.998 37.515,30.998 38.95,30.998 40.45,30.998 41.95,30.998 43.45,30.998 27.015,32.498 28.515,32.498 30.015,32.498 31.515,32.498 33.015,32.498 34.515,32.498 36.015,32.498 37.515,32.498 38.95,32.498 40.45,32.498 41.95,32.498 43.45,32.498 27.015,33.998 28.515,33.998 30.015,33.998 31.515,33.998 33.015,33.998 34.515,33.998 36.015,33.998 37.515,33.998 38.95,33.998 40.45,33.998 41.95,33.998 43.45,33.998 27.015,35.498 28.515,35.498 30.015,35.498 31.515,35.498 33.015,35.498 34.515,35.498 36.015,35.498 37.515,35.498 38.95,35.498 40.45,35.498 41.95,35.498 43.45,35.498 27.015,36.998 28.515,36.998 30.015,36.998 31.515,36.998 33.015,36.998 34.515,36.998 36.015,36.998 37.515,36.998 38.95,36.998 40.45,36.998 41.95,36.998 43.45,36.998 27.015,38.498 28.515,38.498 30.015,38.498 31.515,38.498 33.015,38.498 34.515,38.498 36.015,38.498 37.515,38.498 38.95,38.498 40.45,38.498 41.95,38.498 43.45,38.498 28.515,39.998 30.015,39.998 31.515,39.998 33.015,39.998 34.515,39.998 36.015,39.998 37.515,39.998 38.95,39.998 40.45,39.998 41.95,39.998 43.45,39.998
NetC15_1: C15.1 C16.1 C17.1 D6.A L3.2 Q1.D Q5.D Q11.D R11.2 | length 26.1
  Top Layer w0.3: R11.2@53.375,156.275 D6.A@56.5,156.275
  Mid-Layer 2 w0.3: v1@41.225,146.35 41.3,146.425 46.85,146.425 47.575,147.15 47.575,155.575 48.275,156.275 v2(55.175,156.275)
  other v1: 35.025,111.95 36.525,111.95 38.025,111.95 39.525,111.95 41.025,111.95 35.025,113.45 36.525,113.45 38.025,113.45 39.525,113.45 41.025,113.45 35.025,114.95 36.525,114.95 38.025,114.95 39.525,114.95 41.025,114.95 35.025,116.45 36.525,116.45 38.025,116.45 39.525,116.45 41.025,116.45 35.025,117.95 36.525,117.95 38.025,117.95 39.525,117.95 41.025,117.95 35.025,119.45 36.525,119.45 38.025,119.45 39.525,119.45 41.025,119.45 35.025,120.95 36.525,120.95 38.025,120.95 39.525,120.95 41.025,120.95 35.025,122.45 36.525,122.45 38.025,122.45 39.525,122.45 41.025,122.45 35.025,123.95 36.525,123.95 38.025,123.95 39.525,123.95 41.025,123.95 35.025,125.45 36.525,125.45 38.025,125.45 39.525,125.45 41.025,125.45 35.025,126.95 36.525,126.95 38.025,126.95 39.525,126.95 41.025,126.95 35.025,128.45 36.525,128.45 38.025,128.45 39.525,128.45 41.025,128.45 35.025,129.95 36.525,129.95 38.025,129.95 39.525,129.95 41.025,129.95 21.525,131.45 23.025,131.45 24.525,131.45 26.025,131.45 27.525,131.45 29.025,131.45 30.525,131.45 32.025,131.45 33.525,131.45 35.025,131.45 36.525,131.45 38.025,131.45 39.525,131.45 41.025,131.45 21.525,132.95 23.025,132.95 24.525,132.95 26.025,132.95 27.525,132.95 29.025,132.95 30.525,132.95 32.025,132.95 33.525,132.95 35.025,132.95 36.525,132.95 38.025,132.95 39.525,132.95 41.025,132.95 21.525,134.45 23.025,134.45 24.525,134.45 26.025,134.45 27.525,134.45 29.025,134.45 30.525,134.45 32.025,134.45 33.525,134.45 35.025,134.45 36.525,134.45 38.025,134.45 39.525,134.45 41.025,134.45 21.525,135.95 23.025,135.95 24.525,135.95 26.025,135.95 27.525,135.95 29.025,135.95 30.525,135.95 32.025,135.95 33.525,135.95 35.025,135.95 36.525,135.95 38.025,135.95 39.525,135.95 41.025,135.95 21.525,137.45 23.025,137.45 24.525,137.45 26.025,137.45 27.525,137.45 29.025,137.45 30.525,137.45 32.025,137.45 33.525,137.45 35.025,137.45 36.525,137.45 38.025,137.45 39.525,137.45 41.025,137.45 11.025,138.95 12.525,138.95 14.025,138.95 15.525,138.95 17.025,138.95 18.525,138.95 20.025,138.95 21.525,138.95 23.025,138.95 24.525,138.95 26.025,138.95 27.525,138.95 29.025,138.95 30.525,138.95 32.025,138.95 33.525,138.95 35.025,138.95 36.525,138.95 38.025,138.95 39.525,138.95 41.025,138.95 11.025,140.45 12.525,140.45 14.025,140.45 15.525,140.45 17.025,140.45 18.525,140.45 20.025,140.45 21.525,140.45 23.025,140.45 24.525,140.45 26.025,140.45 27.525,140.45 29.025,140.45 30.525,140.45 32.025,140.45 33.525,140.45 35.025,140.45 36.525,140.45 38.025,140.45 39.525,140.45 41.025,140.45 11.025,141.95 12.525,141.95 14.025,141.95 15.525,141.95 17.025,141.95 18.525,141.95 20.025,141.95 21.525,141.95 23.025,141.95 24.525,141.95 26.025,141.95 27.525,141.95 29.025,141.95 30.525,141.95 32.025,141.95 33.525,141.95 35.025,141.95 36.525,141.95 38.025,141.95 39.525,141.95 41.025,141.95 11.025,143.45 12.525,143.45 14.025,143.45 15.525,143.45 17.025,143.45 18.525,143.45 20.025,143.45 21.525,143.45 23.025,143.45 24.525,143.45 26.025,143.45 27.525,143.45 29.025,143.45 30.525,143.45 32.025,143.45 33.525,143.45 35.025,143.45 36.525,143.45 38.025,143.45 39.525,143.45 41.025,143.45 11.025,144.95 12.525,144.95 14.025,144.95 15.525,144.95 17.025,144.95 18.525,144.95 20.025,144.95 21.525,144.95 23.025,144.95 24.525,144.95 26.025,144.95 27.525,144.95 29.025,144.95 30.525,144.95 32.025,144.95 33.525,144.95 35.025,144.95 36.525,144.95 38.025,144.95 39.525,144.95 41.025,144.95 11.025,146.45 12.525,146.45 14.025,146.45 15.525,146.45 17.025,146.45 18.525,146.45 20.025,146.45 21.525,146.45 23.025,146.45 24.525,146.45 26.025,146.45 27.525,146.45 29.025,146.45 30.525,146.45 32.025,146.45 33.525,146.45 35.025,146.45 36.525,146.45 38.025,146.45 39.525,146.45 41.025,146.45
NetC21_2: C21.2 D1.C D2.C D10.3 U1.2 | length 17.4
  Top Layer w0.3: D2.C@56.15,27.385 D1.C@56.15,29.215 v2(57.185,29.215) ; U1.2@58.75,37.275 58.75,35.85 59.225,35.375 61.1,35.375 61.615,34.86 D10.3@61.615,34 61.615,31.26 61.58,31.225 v2(60.45,31.225)
  Mid-Layer 2 w0.3: v2(57.185,29.215) 57.185,30.935 57.475,31.225 v2(60.45,31.225)
NetC22_2: C22.2 U1.7 | length 4.7
  Top Layer w0.3: C22.2@55.5,35.65 57.25,35.65 57.75,35.15 U1.7@57.75,32.875
NetC23_2: C23.2 U2.7 | length 4.7
  Top Layer w0.3: U2.7@54.875,149.225 54.875,146.95 55.375,146.45 C23.2@57.125,146.45
NetC24_2: C24.2 D6.C D7.C D12.3 U2.2 | length 17.5
  Top Layer w0.3: C24.2@51.01,150.84 D12.3@51.01,148.1 51.01,147.24 51.375,146.875 53.525,146.875 53.875,146.525 U2.2@53.875,144.825 ; C24.2@51.045,150.875 v2@52.045,150.875 ; v2@52.01,150.84 v2@52.045,150.875 ; v2(52.175,150.875) v2@52.045,150.875 ; v2(55.44,152.885) D7.C@56.475,152.885 ; D7.C@56.5,152.885 D6.C@56.5,154.69
  Mid-Layer 2 w0.3: v2(52.175,150.875) 54.925,150.875 55.44,151.39 v2(55.44,152.885)
NetC26_1: C26.1 R19.2 R20.2 U3.7 | length 5.1
  Top Layer w0.2: U3.7@38.91,70.775 39.785,70.775 40.26,70.3 C26.1@40.835,70.3 R20.2@42.36,70.3 R19.2@43.81,70.3
NetC27_2: C27.2 U3.3 | length 1.9
  Top Layer w0.2: C27.2@34.091,71.275 U3.3@36.04,71.275
NetC28_1: C28.1 R21.2 R22.2 U3.8 | length 4.8
  Top Layer w0.2: U3.8@38.91,71.275 39.685,71.275 40.26,71.85 C28.1@40.835,71.85 R22.2@42.36,71.85 R21.2@43.491,71.85
NetC31_1: C31.1 R31.2 U4.1 | length 3.8
  Top Layer w0.3: C31.1@27.3,47.15 R31.2@27.3,45.35 29.275,45.35 U4.1@29.295,45.33
NetC31_2: C31.2 R27.2 U4.8 | length 3.6
  Top Layer w0.3: C31.2@27.3,48.65 R27.2@27.3,50.275 29.29,50.275 U4.8@29.295,50.27
NetC32_1: C32.1 R32.2 U5.1 | length 3.8
  Top Layer w0.3: U5.1@44.08,100.89 44.1,100.91 R32.2@44.1,102.885 C32.1@45.9,102.885
NetC32_2: C32.2 R28.2 U5.8 | length 3.6
  Top Layer w0.3: C32.2@47.4,102.885 R28.2@49.025,102.885 49.025,100.895 U5.8@49.02,100.89
NetC39_2: C39.2 U6.6 | length 2.7
  Top Layer w0.3: C39.2@60.9,64.875 60.925,64.85 U6.6@60.925,62.225
NetC40_2: C40.2 U7.6 | length 2.6
  Top Layer w0.3: C40.2@75.225,64.575 C40.2@75.23,64.57 ; U7.6@75.245,62.02 C40.2@75.245,64.57
NetC41_1: C41.1 L5.1 R44.1 U6.8 | length 11.1
  Top Layer w0.3: U6.8@58.385,62.225 58.385,66.035 58.725,66.375 C41.1@59.3,66.375 R44.1@59.3,68.575
  Top Layer w0.75: L5.1@54.25,62.216 54.259,62.225 U6.8@58.275,62.225
NetC41_2: C41.2 U6.7 | length 2.8
  Top Layer w0.3: C41.2@59.3,64.875 59.3,63.875 59.655,63.52 U6.7@59.655,62.225
NetC42_1: C42.1 L6.1 R45.1 U7.8 | length 11
  Top Layer w0.3: U7.8@72.705,62.02 72.705,65.73 73.05,66.075 C42.1@73.625,66.075 R45.1@73.625,68.2
  Top Layer w0.5: L6.1@68.59,62.011 68.599,62.02 U7.8@72.705,62.02
NetC42_2: C42.2 U7.7 | length 2.6
  Top Layer w0.3: C42.2@73.625,64.525 73.625,63.55 73.975,63.2 U7.7@73.975,62.02
NetC46_2: C46.2 C50.2 R44.2 | length 3.1
  Top Layer w0.3: R44.2@59.3,70.075 C50.2@60.825,70.075 C46.2@62.45,70.075
NetC48_2: C48.2 C51.2 R45.2 | length 3.1
  Top Layer w0.3: R45.2@73.625,69.8 76.7,69.8 C48.2@76.725,69.775
NetC50_1: C50.1 R46.1 R49.1 U6.5 | length 10.3
  Top Layer w0.3: v2(60.825,67.625) C50.1@60.825,68.575 ; U6.5@62.195,62.225 62.195,63.47 v2(62.425,63.7) R49.1@62.425,64.875 R46.1@63.85,64.875
  Mid-Layer 2 w0.3: v2(60.825,67.625) 61.875,67.625 62.425,67.075 v2(62.425,63.7)
NetC51_1: C51.1 R47.1 R50.1 U7.5 | length 10.2
  Top Layer w0.3: v2(75.125,67.575) C51.1@75.125,68.3 ; U7.5@76.515,62.02 76.515,63.145 76.74,63.37 v2(76.74,63.625) R50.1@76.74,64.575 ; R50.1@76.725,64.575 R50.1@76.74,64.575 ; R47.1@78.225,64.575 R50.1@76.74,64.575
  Mid-Layer 2 w0.3: v2(75.125,67.575) 76.25,67.575 76.74,67.085 v2(76.74,63.625)
NetC52_2: C52.2 U8.3 | length 2.4
  Top Layer w0.3: U8.3@72.635,18.405 72.635,16.065 C52.2@72.65,16.05
NetD3_A: D3.A Q3.G Q4.G Q10.3 R7.2 | length 71.1
  Top Layer w0.3: v2(24.125,17.75) 24.125,18.62 24.15,18.645 Q3.G@24.125,18.67 ; Q4.G@28.205,25.07 v2(28.205,26.22) ; v2(56.775,16.95) 56.775,21.875 56.75,21.9 57.1,22.25 Q10.3@57.965,22.25 57.965,23.89 58.425,24.35 60.3,24.35 60.675,24.725 R7.2@60.675,25.825 62.77,25.825 D3.A@62.775,25.82
  Mid-Layer 2 w0.3: v2(24.125,17.75) 22.625,17.75 ; v2(28.205,26.22) 28.205,27.72 27.55,28.375 23.1,28.375 22.625,27.9 22.625,17.75 ; v2(56.775,16.95) 56.125,16.3 23.125,16.3 22.625,16.8 22.625,17.75
NetD3_C: D3.C R7.1 U1.10 | length 9.6
  Top Layer w0.3: U1.10@59.25,32.875 59.25,30.95 60.675,29.525 R7.1@60.675,27.325 61.975,27.325 62.775,28.125 D3.C@62.775,29.18